# Altium PCB OneBox.PcbDoc (part 3 of 13)
Units mm, origin at the board's own origin, x right, y up, seen from the top; angles counter-clockwise.
Board outline 101 x 69 mm, 6 copper layers (L1_Sig, L2_Gnd, L3_Pow, L4_Sig, L5_Gnd, L6_Sig), stack 1.538 mm thick; 766 components, 563 nets, 3133 pads, 2914 vias.
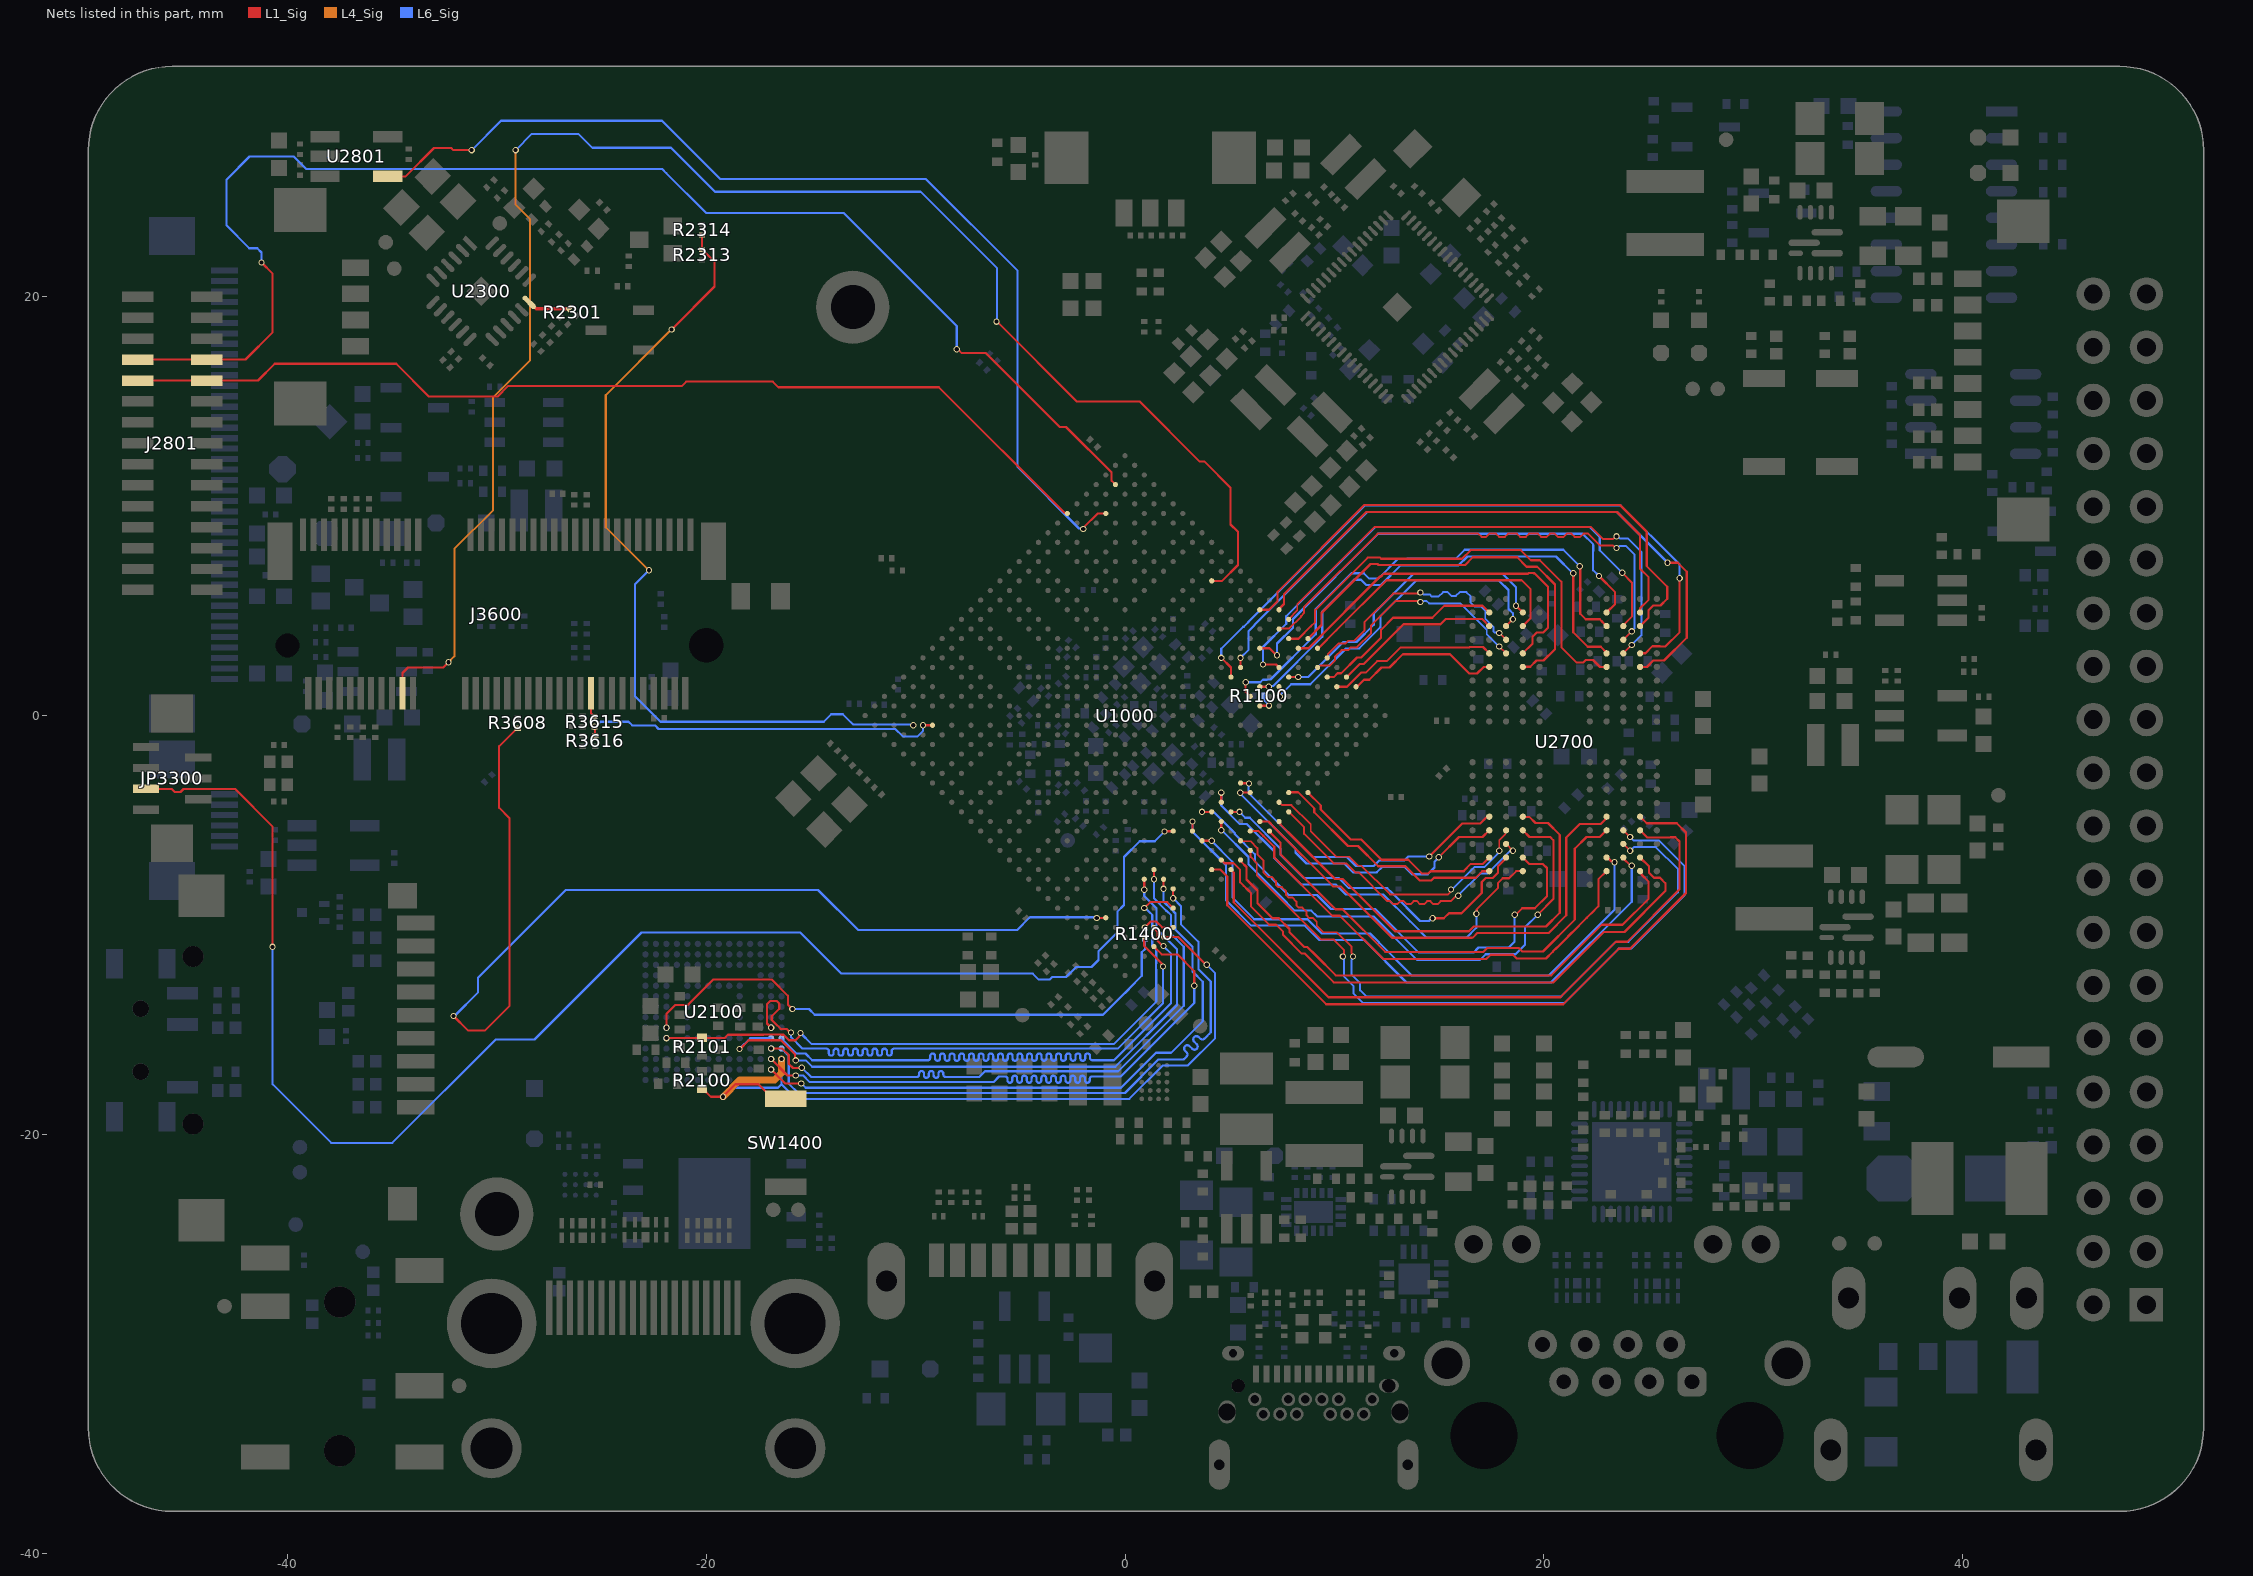
[diagram p7: the nets of this part, all layers, seen from the top]

## Footprints (in the part's own frame and the unit in brackets; to place one, negate y for a bottom-side part, rotate by r counter-clockwise, add the part's x,y. Pads: shape width x height; smd on the part's side, far side on the other; paste and mask are expansions set on the pad) (continued)
"QFN68 7X7" [mm] "68脚，长x宽x高：7x7x0.85mm，脚距：0.35mm"
  rect 0.18x0.6 smd: 1(-2.8,-3.4)
  oval 0.18x0.6 smd: 2(-2.45,-3.4) 3(-2.1,-3.4) 4(-1.75,-3.4) 5(-1.4,-3.4) 6(-1.05,-3.4) 7(-0.7,-3.4) 8(-0.35,-3.4) 9(0,-3.4) 10(0.35,-3.4) 11(0.7,-3.4) 12(1.05,-3.4) 13(1.4,-3.4) 14(1.75,-3.4) 15(2.1,-3.4) 16(2.45,-3.4) 17(2.8,-3.4) 35(2.8,3.4) 36(2.45,3.4) 37(2.1,3.4) 38(1.75,3.4) 39(1.4,3.4) 40(1.05,3.4) 41(0.7,3.4) 42(0.35,3.4) 43(0,3.4) 44(-0.35,3.4) 45(-0.7,3.4) 46(-1.05,3.4) 47(-1.4,3.4) 48(-1.75,3.4) 49(-2.1,3.4) 50(-2.45,3.4) 51(-2.8,3.4)
  oval 0.6x0.18 smd: 18(3.4,-2.8) 19(3.4,-2.45) 20(3.4,-2.1) 21(3.4,-1.75) 22(3.4,-1.4) 23(3.4,-1.05) 24(3.4,-0.7) 25(3.4,-0.35) 26(3.4,0) 27(3.4,0.35) 28(3.4,0.7) 29(3.4,1.05) 30(3.4,1.4) 31(3.4,1.75) 32(3.4,2.1) 33(3.4,2.45) 34(3.4,2.8) 52(-3.4,2.8) 53(-3.4,2.45) 54(-3.4,2.1) 55(-3.4,1.75) 56(-3.4,1.4) 57(-3.4,1.05) 58(-3.4,0.7) 59(-3.4,0.35) 60(-3.4,0) 61(-3.4,-0.35) 62(-3.4,-0.7) 63(-3.4,-1.05) 64(-3.4,-1.4) 65(-3.4,-1.75) 66(-3.4,-2.1) 67(-3.4,-2.45) 68(-3.4,-2.8)
  rect 1x1 smd: 69(0,0)
  L1_Sig region: -2.85,2.85 2.85,2.85 2.85,-2.85 -2.5,-2.85 -2.85,-2.5
  silkscreen extent -3.62,-3.62 -3.38,-3.38, body extent -3.5,-3.5 3.5,3.5, height 1.01
QFN-12 [mil] "2mm * 3mm"
  oval 59.1x11.8 smd mask+2: 1(-20.7,20.6) 2(-20.7,-18.8) 7(22.6,0.9)
  oval 9.8x27.6 smd mask+2: 3(-28.6,-56.2) 4(-8.9,-56.2) 5(10.8,-56.2) 6(30.5,-56.2) 9(30.5,58) 10(10.8,58) 11(-8.9,58) 12(-28.6,58)
  oval 27.6x9.8 smd mask+2: 8(38.4,20.6)
  body extent -40,-59 39,59, height 37
R0201_NS [mm] "1/20W贴片电阻-无丝印"
  rect 0.25x0.3 smd: 1(-0.25,0) 2(0.25,0)
  body extent -0.3,-0.15 0.3,0.15, height 0.23
R0402_NS [mm] "1/16W贴片电阻-无丝印"
  rect 0.4x0.5 smd: 1(-0.425,0) 2(0.425,0)
  body extent -0.5,-0.25 0.5,0.25, height 0.3
R0603_NS [mil] "1/10W贴片电阻-无丝印"
  rect 30x30 smd: 1(-25.59,0) 2(25.59,0)
  body extent -31,-16 32,16, height 16
R0805_NS [mil] "1/8W贴片电阻-无丝印"
  rect 35x50 smd: 1(-37.4,0) 2(37.4,0)
  silkscreen extent -16,-4 16,4, body extent -39,-25 39,25, height 20
R1206_NS [mil] "1/4W贴片电阻-无丝印"
  rect 55x62 smd: 1(-55.12,0) 2(57.09,0)
  silkscreen extent -16,-4 16,4, body extent -63,-31 63,31, height 22
R1210_NS [mm] "1/3W贴片电阻"
  rect 1.524x2.54 smd: 1(-1.45,0) 2(1.45,0)
  silkscreen extent -0.4,-0.1 0.4,0.1, body extent -1.58,-1.25 1.62,1.25, height 0.55
RJ45-2LED [mm] "RJ45屏蔽网络插座带LED"
  rrect50% 1.4x1.4 hole 0.7: 1(3.57,0.19)
  round 1.4 hole 0.7: 2(2.55,1.97) 3(1.53,0.19) 4(0.51,1.97) 5(-0.51,0.19) 6(-1.53,1.97) 7(-2.55,0.19) 8(-3.57,1.97)
  round 1.8 hole 0.9: 9(6.86,6.757) 10(4.57,6.757) 11(-4.57,6.757) 12(-6.86,6.757)
  round 2.2 hole 1.5: HM3(-8.128,1.08) HM4(8.128,1.08)
  round 0 hole 3.2 unplated: ""(-6.35,-2.363) ""(6.35,-2.363)
  body extent -7.95,-7.65 7.95,7.75, height 12.85
SDMM0806 [mm]
  rect 0.3x0.3 smd: 1(0.25,0.3) 2(0.25,-0.3) 3(-0.25,0.3) 4(-0.25,-0.3)
SMB [mm] "4.7*3.9*2.2mm(长宽高，不包括引脚）"
  rect 2.5x2.2 smd: 1(-2.35,0)
  oct 2.5x2.2 smd: 2(2.35,0)
  silkscreen extent -0.39,-0.51 0.5,0.51, body extent -2.63,-1.8 2.67,1.8, height 2.35
SMT-HOLE-M2*3.5*3.5+1.2 [mm]
  round 3.5 hole 2.1: 1(0,0)
  body extent -1.75,-1.75 1.75,1.75, height 3.5
SOD-123 [mm] "2.7x1.6X1.1mm（长宽高，不包括引脚）"
  rect 1.2x1.2 smd: 1(-1.6,0)
  oct 1.2x1.2 smd: 2(1.6,0)
  silkscreen extent -0.15,-0.55 0.4,0.53, body extent -1.85,-0.8 1.85,0.8, height 1.22
SOD-323 [mm] "1.8x1.3X0.9mm（长宽高，不包括引脚）"
  rect 0.8x0.8 smd: 1(-1.2,0)
  oct 0.8x0.8 smd: 2(1.2,0)
  silkscreen extent -0.23,-0.51 0.18,0.51, body extent -1.34,-0.63 1.31,0.67, height 1
SON127P800X600X80-9N-D [mm]
  rect 0.95x0.45 smd: 1(-3.9,1.905) 2(-3.9,0.635) 3(-3.9,-0.635) 4(-3.9,-1.905) 5(3.9,-1.905) 6(3.9,-0.635) 7(3.9,0.635) 8(3.9,1.905)
  rect 3.45x4.35 smd: 9(0,0)
  silkscreen extent -2.72,1.78 -2.47,2.02, body extent -4.05,-3 4.05,3, height 0.8
SOP8_L [mm] "4*5*1.8mm（长宽高）"
  rect 1.5x0.5 smd: 1(-2.5,1.905)
  oval 1.5x0.5 smd: 2(-2.5,0.635) 3(-2.5,-0.635) 4(-2.5,-1.905) 5(2.5,-1.905) 6(2.5,-0.635) 7(2.5,0.635) 8(2.5,1.905)
  silkscreen extent -1.15,1.65 -0.85,1.95, body extent -3,-2.5 3,2.5, height 1.9
SOP16_L [mm] "10.3*6.2*1.8mm（长宽高）"
  rect 1.5x0.5 smd: 1(-2.752,4.445)
  oval 1.5x0.5 smd: 2(-2.752,3.175) 3(-2.752,1.905) 4(-2.752,0.635) 5(-2.752,-0.635) 6(-2.752,-1.905) 7(-2.752,-3.175) 8(-2.752,-4.445) 9(2.752,-4.445) 10(2.752,-3.175) 11(2.752,-1.905) 12(2.752,-0.635) 13(2.752,0.635) 14(2.752,1.905) 15(2.752,3.175) 16(2.752,4.445)
  silkscreen extent -1.15,4.15 -0.85,4.45, body extent -3,-5 3,5, height 1.9
SOT23-3L [mm] "3x1.3x1mm(长宽高)"
  rect 0.45x1 smd: 1(-0.95,-1.143) 2(0.95,-1.143) 3(0,1.125)
  body extent -1.5,-1.2 1.5,1.2, height 1.05
SOT23-5M [mm] "3x1.6x1.1mm(长宽高)"
  rect 0.55x1.4 smd: 1(-0.95,-1.5) 2(0,-1.5) 3(0.95,-1.5) 4(0.95,1.5) 5(-0.95,1.5)
  silkscreen extent -1.12,-0.42 -0.87,-0.18, body extent -1.5,-1.4 1.5,1.4, height 1.15
SOT23-6L [mm] "3x1.6x1.1mm(长宽高)"
  rect 0.45x1 smd: 1(-0.95,-1.397) 2(0,-1.397) 3(0.95,-1.397) 4(0.95,1.397) 5(0,1.397) 6(-0.95,1.397)
  silkscreen extent -1.12,-0.42 -0.88,-0.17, body extent -1.5,-1.4 1.5,1.4, height 1.15
SOT323-3 [mil] "3x1.3x1mm(长宽高)"
  rect 31.5x35.4 smd mask+2: 1(-24.62,-35.7) 2(26.58,-35.7) 3(0.98,27.3)
  body extent -38,-48 41,35, height 46
SOT723 [mm]
  rect 0.489x0.294 smd: 1(0,0) 2(0,0.8)
  rect 0.489x0.434 smd: 3(-1.059,0.4)
  body extent -1.1,-0.2 0.1,1, height 0.5
SWPA252010 [mm] "轮廓2.5mm*2mm ，焊盘间距0.8mm"
  rect 0.85x2 smd: 1(-0.825,0) 2(0.825,0)
  body extent -1.25,-1.25 1.25,1.25, height 1
"TEST 0.7" [mm] "测试点0.7mm"
  round 0.7 smd: 1(0,0)
TS3x4x2 [mm] "防水轻触开关3x4x2"
  rect 2x0.8 smd: 1(0,2.1) 2(0,-2.1)
  silkscreen extent -1.5,-2 1.5,2, body extent -1.5,-2.2 1.5,2.2, height 2
TS3X4X2 [mm] "防水轻触开关3x4x2"
  rect 2x0.8 smd: 1(0,2.1) 2(0,-2.1)
  silkscreen extent -1.5,-2 1.5,2, body extent -1.5,-2.2 1.5,2.2, height 2
USB3.1_TYPE-A_HS [mm] "USB 3.1 Type A"
  rect 0.7x1.6 smd mask+0.05: 1(-3,0.5) 2(-1,0.5) 3(1,0.5) 4(3,0.5) 5(4,0.5) 6(2,0.5) 7(0,0.5) 8(-2,0.5) 9(-4,0.5)
  oval 1.8x3.7 hole 1 slot 2.5 at 90 deg mask+0.05: 10(6.4,-0.5) 11(-6.4,-0.5)
  body extent -6.57,-12.98 6.53,1.07, height 6.71
USB-C/S_A [mm] "Type-C 24P母座"
  oval 1x2.4 hole 0.5 slot 1.5 at 90 deg: 0(-4.5,-0.765) 0(4.5,-0.765)
  oval 0.8x1.1 hole 0.8 slot 1.1 at 90 deg: 0(-4.13,1.75) 0(4.13,1.75)
  oval 1.05x0.7 hole 0.4 slot 0.75 at 0 deg: 0(-3.845,4.55) 0(3.845,4.55)
  rect 0.3x0.8 smd: A1(-2.75,3.56) A2(-2.25,3.56) A3(-1.75,3.56) A4(-1.25,3.56) A5(-0.75,3.56) A6(-0.25,3.56) A7(0.25,3.56) A8(0.75,3.56) A9(1.25,3.56) A10(1.75,3.56) A11(2.25,3.56) A12(2.75,3.56)
  round 0.65 hole 0.4: B1(2.8,2.35) B2(2.4,1.65) B3(1.6,1.65) B4(1.2,2.35) B5(0.8,1.65) B6(0.4,2.35) B7(-0.4,2.35) B8(-0.8,1.65) B9(-1.2,2.35) B10(-1.6,1.65) B11(-2.4,1.65) B12(-2.8,2.35)
  round 0.65 hole 0.65: N(-3.6,3)
  oval 0.95x0.65 hole 0.65 slot 0.95 at 0 deg: N(3.6,3)
  body extent -4.62,-4.45 4.63,4.65, height 3.35
WQFN-14 [mm]
  rect 0.7x0.3 smd: 1(-1.3,0.5) 2(-1.3,0) 3(-1.3,-0.5) 8(1.3,-0.5) 9(1.3,0) 10(1.3,0.5)
  rect 0.3x0.7 smd: 4(-0.75,-1.3) 5(-0.25,-1.3) 6(0.25,-1.3) 7(0.75,-1.3) 11(0.75,1.3) 12(0.25,1.3) 13(-0.25,1.3) 14(-0.75,1.3)
  rect 1.5x1.5 smd: 15(0,0)
  silkscreen extent -1.55,1.15 -1.31,1.4, body extent -1.3,-1.3 1.3,1.3, height 0.8
WQFN-40 [mm]
  oval 0.22x0.8 smd: 1(-1.801,-2.499) 2(-1.4,-2.499) 3(-1.001,-2.499) 4(-0.599,-2.499) 5(-0.201,-2.499) 6(0.201,-2.499) 7(0.599,-2.499) 8(1.001,-2.499) 9(1.4,-2.499) 10(1.801,-2.499) 21(1.801,2.499) 22(1.4,2.499) 23(1.001,2.499) 24(0.599,2.499) 25(0.201,2.499) 26(-0.201,2.499) 27(-0.599,2.499) 28(-1.001,2.499) 29(-1.4,2.499) 30(-1.801,2.499)
  oval 0.8x0.22 smd: 11(2.499,-1.801) 12(2.499,-1.4) 13(2.499,-1.001) 14(2.499,-0.599) 15(2.499,-0.201) 16(2.499,0.201) 17(2.499,0.599) 18(2.499,1.001) 19(2.499,1.4) 20(2.499,1.801) 31(-2.499,1.801) 32(-2.499,1.4) 33(-2.499,1.001) 34(-2.499,0.599) 35(-2.499,0.201) 36(-2.499,-0.201) 37(-2.499,-0.599) 38(-2.499,-1.001) 39(-2.499,-1.4) 40(-2.499,-1.801)
  rect 3.8x3.8 smd: 41(0,0)
  silkscreen extent -2.63,-2.62 -2.38,-2.38, body extent -2.5,-2.5 2.5,2.5, height 0.8
X2QFN-18 [mm]
  rect 0.5x0.25 smd: 1(-0.905,0.8) 2(-0.905,0.4) 3(-0.905,0) 4(-0.905,-0.4) 5(-0.905,-0.8) 10(0.905,-0.8) 11(0.905,-0.4) 12(0.905,0) 13(0.905,0.4) 14(0.905,0.8)
  rect 0.25x0.5 smd: 6(-0.6,-1.305) 7(-0.2,-1.305) 8(0.2,-1.305) 9(0.6,-1.305) 15(0.6,1.305) 16(0.2,1.305) 17(-0.2,1.305) 18(-0.6,1.305)
  rect 1.05x1.85 smd: 19(0,0)
  silkscreen extent -1.37,1.28 -1.13,1.53, body extent -1,-1.4 1,1.4, height 0.5
XTAL-3225-4P [mm] "3.2*2.5*0.7mm(长宽高)"
  rect 1.3x1.2 smd: 1(-1.05,-0.85) 2(1.05,-0.85) 3(1.05,0.85) 4(-1.05,0.85)
  silkscreen extent -2.03,-1.75 -0.89,-0.61, body extent -1.6,-1.25 1.6,1.25, height 0.7

## Part data
C1000 C1204 C1206 C1208 C1211 C1214 C1900 C2100 C2101 C2102 C2103 C2106 C2107 C2108 C2400 C2404 C2502 C2506 C2704 C2706 C2707 C2708 C2709 C2710 C2711 C2714 C2715 C2716 C2718 C2720 C2722 C2726 C2727 C2729 C2730 C2731 C2732 C2733 C2734 C2735 C2737 C2738 C2739 C2740 C2741 C2742 C2750 C2751 C2754 C2755 C2756 C2758 C2759 C2760 C2810 C2812 C3002 C3014 C3022 C3026 C3033 C3038 C3046 C3103 C3106 C3107 C3108 C3109 C3110 C3114 C3115 C3117 C3118 C3120 C3121 C3200 C3201 C3202 C3203 C3204 C3205 C3400: library part C, "X5R 10V C0402", BOM名称=无极性贴片电容, ComponentLink1Description=Datasheet, ComponentLink1URL=www.baidu.com
C1001 C1006 C1013 C1102 C1103 C1107 C1108 C1109 C1802 C1804 C1906 C1907 C1913 C1914 C2752 C2922: library part C, "X5R 6.3V C0402", BOM名称=无极性贴片电容, ComponentLink1Description=Datasheet, ComponentLink1URL=www.baidu.com
C1002 C1003 C1004 C1009 C1010 C1014 C1015 C1018 C1019 C2701 C2723 C2746 C2900 C2902 C2903 C2905 C2906 C2908 C2909 C2912 C2913 C2930 C3003 C3004 C3005 C3006: library part C, "X5R 6.3V C0603", BOM名称=无极性贴片电容, ComponentLink1Description=Datasheet, ComponentLink1URL=www.baidu.com
C1005 C1012 C1017 C1100 C1101 C1105 C1106 C1200 C1203 C1205 C1207 C1209 C1210 C1212 C1213 C1300 C1400 C1401 C1402 C1500 C1600 C1601 C1700 C1707 C1708 C1709 C1710 C1800 C1801 C1803 C1805 C1806 C1807 C1808 C1809 C1810 C1811 C1812 C1901 C1902 C1903 C1904 C1905 C1908 C1909 C1910 C1911 C1912 C2201 C2202 C2203 C2406 C2407 C2408 C2409 C2415 C2416 C2417 C2418 C2500 C2501 C2600 C2705 C2712 C2713 C2717 C2719 C2721 C2728 C2736 C2744 C2747 C2749 C2800 C2802 C2803 C2805 C2901 C2904 C2910 C2914 C2915 C2916 C2917 C2919 C2920 C2921 C2923 C2924 C2925 C2926 C2927 C2928 C2932 C2933 C2934 C2935 C2936 C2939 C2940 C2941 C2942 C2944 C2945 C2946 C2947 C2948 C2952 C2954 C3302 C3601 C3602 C3610 C3611: library part C, "X5R 10V C0201", BOM名称=无极性贴片电容, ComponentLink1Description=Datasheet, ComponentLink1URL=www.baidu.com
C1007 C1008 C2105 C2405 C2412 C2413 C2414 C3018 C3029 C3040: library part C, "X5R 16V C0402", BOM名称=无极性贴片电容, ComponentLink1Description=Datasheet, ComponentLink1URL=www.baidu.com
C1011 C1016 C1020 C1104 C2000 C2104 C2109 C2200 C2300 C2306 C2309 C2403 C2505 C2702 C2703 C2724 C2725 C2743 C2748 C2753 C2757 C2801 C2804 C2806 C2811 C2907 C2911 C2918 C2929 C2931 C2943 C3001 C3015 C3021 C3027 C3032 C3039 C3045 C3105 C3113 C3116 C3119 C3603 C3604: library part C, "X5R 10V C0603", BOM名称=无极性贴片电容, ComponentLink1Description=Datasheet, ComponentLink1URL=www.baidu.com
C1201 C1202 C2745 C2937 C2938 C2949 C2950 C2951 C2953 C3300 C3303: library part C, "C0G 50V C0201", BOM名称=无极性贴片电容, ComponentLink1Description=Datasheet, ComponentLink1URL=www.baidu.com
C1701 C1702 C1703 C1704 C1705 C1706: library part C, "X5R 50V C0201", BOM名称=无极性贴片电容, ComponentLink1Description=Datasheet, ComponentLink1URL=www.baidu.com
C2301 C2302 C2303 C2304 C2305 C2307 C2308 C2310 C3600 C3605 C3606 C3607: library part C, "X5R 16V C0201", BOM名称=无极性贴片电容, ComponentLink1Description=Datasheet, ComponentLink1URL=www.baidu.com
C2401 C2402 C2503 C2504 C3019 C3020 C3030 C3031 C3042 C3043: library part C, "X5R 10V C1206", BOM名称=无极性贴片电容, ComponentLink1Description=Datasheet, ComponentLink1URL=www.baidu.com
C2410 C2411 C3100 C3101 C3102: library part C, "C0G 50V C0402", BOM名称=无极性贴片电容, ComponentLink1Description=Datasheet, ComponentLink1URL=www.baidu.com
C2700: library part C, "X5R 50V C0201 1nF", BOM名称=无极性贴片电容, ComponentLink1Description=Datasheet, ComponentLink1URL=www.baidu.com
C2807 C2808 C2809 C2813 C2814 C2815 C3007 C3010 C3013 C3025 C3037: library part C, "X5R 50V C0603", BOM名称=无极性贴片电容, ComponentLink1Description=Datasheet, ComponentLink1URL=www.baidu.com
C3000 C3104: library part C, "X5R 10V C0402 100nF", BOM名称=无极性贴片电容, ComponentLink1Description=Datasheet, ComponentLink1URL=www.baidu.com
C3008 C3009 C3011 C3012 C3023 C3024 C3034 C3035: library part C, "X5R 50V C0805", BOM名称=无极性贴片电容, ComponentLink1Description=Datasheet, ComponentLink1URL=www.baidu.com
C3017 C3028 C3041: library part C, "X5R 25V C0402", BOM名称=无极性贴片电容, ComponentLink1Description=Datasheet, ComponentLink1URL=www.baidu.com
C3049: library part C-CM, "CAP6.3x7.7", BOM名称=贴片电解电容, 学习资源=www.ooocke.com, 版权归属=源创客
C3111 C3112: library part C, "C0G 50V C0402 100pF", BOM名称=无极性贴片电容, ComponentLink1Description=Datasheet, ComponentLink1URL=www.baidu.com
D2400 D2500 D2800 D2803: "肖特基二极管", BOM名称=肖特基二极管, 学习资源=www.ooocke.com, 属性=40V/2A, 版权归属=源创客
D2600: library part B5819WS, "肖特基二极管", BOM名称=肖特基二极管, 学习资源=www.ooocke.com, 属性=40V/2A, 版权归属=源创客
D2801 D2802: "双开关二极管", BOM名称=肖特基二极管, 学习资源=www.ooocke.com, 属性=40V/2A, 版权归属=源创客
D3000: "DO_214AC", BOM名称=肖特基二极管, 学习资源=www.ooocke.com, 属性=40V/3A, 版权归属=源创客
DZ2800: library part 1N720, "18V/0.25W稳压管", BOM名称=10V/0.5W稳压管, 学习资源=www.ooocke.com, 版权归属=源创客
DZ2801: library part 1N714, "10V/0.25W稳压管", BOM名称=10V/0.5W稳压管, 学习资源=www.ooocke.com, 版权归属=源创客
F3000: library part FU, "贴片保险丝", BOM名称=贴片保险丝, 学习资源=www.ooocke.com, 版权归属=源创客
J2200: "TF卡座", BOM名称=TF卡座, 学习资源=www.ooocke.com, 版权归属=源创客
J2400: library part USB-C/S, "USB-C型母接口", BOM名称=USB-C型母接口, 学习资源=www.ooocke.com, 版权归属=源创客
J2500: "USB3.1_Type-A贴片母座"
J2600: library part HDMI-019S
J2800: library part FPC-40P_8.8_Display, "FPC连接器", BOM名称=FPC连接器, 学习资源=www.ooocke.com, 版权归属=源创客
J2801: library part FPC-15P, "FPC连接器", BOM名称=FPC连接器, 学习资源=www.ooocke.com, 版权归属=源创客
J3100: "Connector", Manufacturer_Name=Amphenol, Manufacturer_Part_Number=RJHSE3381A1, Mouser2 Part Number=523-RJHSE3381A1, Datasheet Link=https://componentsearchengine.com//RJHSE3381A1.pdf, Height=15.88mm, Mouser2 Price/Stock=https://www.mouser.com/Search/Refine.aspx?Keyword=523-RJHSE3381A1
J3300: "3.5耳机插座,4Pin", BOM名称=耳机插座, 学习资源=www.ooocke.com, 版权归属=源创客
J3401: library part SSW-1P, "1路波动开关", BOM名称=波动开关, 学习资源=www.ooocke.com, 版权归属=源创客
J3500: library part "Raspberry Pi Pin Header", "20*2P接插件", BOM名称=20*2P接插件, 学习资源=www.ooocke.com, 版权归属=源创客
J3600: "Connector", Manufacturer_Name="TE Connectivity", Manufacturer_Part_Number=2199230-4, Mouser2 Part Number=571-2199230-4, Datasheet Link=https://componentsearchengine.com//2199230-4.pdf, Mouser2 Price/Stock=https://www.mouser.com/Search/Refine.aspx?Keyword=571-2199230-4
JP2300: library part "Header 4", "4P接插件", BOM名称=4P接插件, 学习资源=www.ooocke.com, 版权归属=源创客
JP2302: library part Fan_Pin, "3P接插件", BOM名称=3P接插件, 学习资源=www.ooocke.com, 版权归属=源创客
JP2802: library part FPC-6P_TouchPanel, "FPC连接器", BOM名称=FPC连接器, 学习资源=www.ooocke.com, 版权归属=源创客
JP3200: library part "Header 8", "8P接插件", BOM名称=8P接插件, 学习资源=www.ooocke.com, 版权归属=源创客
JP3300: library part FPC-7P, "FPC连接器", BOM名称=FPC连接器, 学习资源=www.ooocke.com, 版权归属=源创客
L2400 L2401 L2402 L2403 L2404 L2500 L3100 L3101 L3102 L3103: library part L-UU, "电感-共模电感", BOM名称=共模电感
L2700: library part L-NR, "MPIA252012-2R2M 3A", BOM名称=NR磁胶电感
L2800 L2801 L3104: library part L-SWPA, "电感-顺络_SWPA贴片屏蔽电感", BOM名称=功率屏蔽电感
L2900 L2901 L2902 L2903 L2904: library part L-SWPA, "DCR<50mohm 252010", BOM名称=功率屏蔽电感
L3000: library part L-SWPA, "0.24uH/4A/WPN252012HR24MT", BOM名称=功率屏蔽电感
L3001 L3002 L3003: library part L-NR, "4.7uH/3A,高2.0mm，WPN4020H4R7MT", BOM名称=NR磁胶电感
LB2300 LB2301 LB2302 LB2900 LB2901 LB2902 LB2903 LB2904: library part LB, "磁珠 2A L0402", BOM名称=磁珠, 学习资源=www.ooocke.com, 版权归属=源创客
LED3200 LED3201 LED3400 LED3401: library part LED-SMD, "贴片LED", BOM名称=贴片LED, 学习资源=www.ooocke.com, 版权归属=源创客
Q2200: "高频放大-NPN型", BOM名称=高频放大-NPN型, 参数="40V 0.2A 0.3W 300MHZ"
Q2300: "P沟道", BOM名称=场效应管, 学习资源=www.ooocke.com, 描述="P沟道 30V/4.2A", 版权归属=源创客
Q2301 Q2800 Q2801: "N沟道", BOM名称=场效应管, 学习资源=www.ooocke.com, 描述="N沟道 30V/4.2A", 版权归属=源创客
Q3200 Q3201 Q3202: library part 8050-SMD, "高频放大-NPN型", BOM名称=高频放大-NPN型, 学习资源=www.ooocke.com, 属性="40V 1.5A 1W 100MHZ", 版权归属=源创客
R1100 R1700 R1800 R1900 R2306 R2400 R2401 R2402 R2403 R2404 R2405 R2406 R2407 R2408 R2409 R2700 R2701 R2703 R2704 R2800 R2801 R2803 R2804 R2805 R2806 R2807 R2808 R2903 R2904 R2911 R2912 R3100 R3113 R3114 R3115 R3116 R3117 R3118 R3119 R3120 R3407 R3408: library part R, "1% R0201", BOM名称=贴片电阻
R1200 R1201 R1202 R1203 R1204 R1205 R1206 R1207 R1208 R1400 R1401 R1402 R1403 R1404 R1500 R1501 R1502 R1600 R2002 R2200 R2201 R2202 R2203 R2204 R2300 R2301 R2302 R2303 R2304 R2305 R2309 R2310 R2311 R2312 R2313 R2314 R2315 R2316 R2500 R2501 R2502 R2503 R2504 R2505 R2600 R2601 R2602 R2603 R2702 R2809 R2810 R2811 R2812 R2813 R2814 R2815 R2816 R2900 R2901 R2902 R2905 R2906 R2907 R2908 R3101 R3305 R3306 R3307 R3404 R3406 R3500 R3501 R3502 R3503 R3600 R3601 R3602 R3603 R3604 R3605 R3606 R3607 R3608 R3609 R3610 R3612 R3613 R3614 R3615 R3616 R3617 R3618 R3619 R3620: library part R, "5% R0201", BOM名称=贴片电阻
R1601 R2001 R2100 R2101 R2102 R2410 R2411 R2413 R2414 R2415 R2416 R2506 R2507 R2706 R2707 R2802 R2909 R2910 R3000 R3001 R3004 R3005 R3006 R3012 R3013 R3014 R3016 R3017 R3018 R3103 R3105 R3106 R3107 R3108 R3109 R3110 R3111 R3112 R3121 R3122 R3123 R3124 R3125 R3126 R3127 R3128 R3129 R3130 R3131 R3201 R3202 R3203 R3204 R3206 R3207 R3208 R3209 R3210 R3211 R3212 R3213 R3214 R3400 R3401: library part R, "5% R0402", BOM名称=贴片电阻
R2103: library part R, "5% R0402 47K", BOM名称=贴片电阻
R2412 R2508 R3102 R3402 R3403 R3409 R3410: library part R, "1% R0402", BOM名称=贴片电阻
R2509 R3205: library part R, "5% R0402 10K", BOM名称=贴片电阻
R2705 R3132: library part R, "5% R0603 0R", BOM名称=贴片电阻
R3002: library part R, "5% R1206", BOM名称=贴片电阻
R3003: library part R, "5% R1210", BOM名称=贴片电阻
R3019: library part R, "5% R0603 10K", BOM名称=贴片电阻
R3020: library part R, "1% R1210", BOM名称=贴片电阻
R3104: library part R, "5% R0402 4.7K", BOM名称=贴片电阻
R3133 R3134 R3200: library part R, "1% R0603", BOM名称=贴片电阻
R3611: library part R, "5% R0805 4A", BOM名称=贴片电阻
SW1400 SW3400 SW3401: library part "TS 3x4", "3x4轻触开关", BOM名称=3x6轻触开关, 学习资源=www.ooocke.com, 版权归属=源创客
TP1402 TP1403 TP1700 TP1701 TP1900 TP2300 TP2301 TP2302 TP3000 TP3001 TP3002 TP3003 TP3004 TP3300 TP3301 TP3302 TP3303 TP3400 TP3401 TP3402 TP3403: library part TEST-POINT, "测试点", BOM名称=测试点
U1000: library part RK3568
U2100: library part SDINBDA6-32G, "eMMC"
U2200: library part W25Q256JWEIQ, "Integrated Circuit", Manufacturer_Name=Winbond, Mouser2 Part Number=454-W25Q256JWEIQ, Datasheet Link=https://componentsearchengine.com//W25Q256JWEIQ.pdf, Height=0.8mm, Manufacturer_Part_Number=W25Q256JWEIQ, Mouser2 Price/Stock=https://www.mouser.com/Search/Refine.aspx?Keyword=454-W25Q256JWEIQ
U2400 U2500 U2800 U2801: "USB电源开关/负载开关", BOM名称=可调升压芯片, 学习资源=www.ooocke.com, 版权归属=源创客
U2401: "Integrated Circuit", Manufacturer_Name=onsemi, Mouser2 Part Number=512-FUSB340TMX, Datasheet Link=https://componentsearchengine.com//FUSB340TMX.pdf, Height=0.4mm, Manufacturer_Part_Number=FUSB340TMX, Mouser2 Price/Stock=https://www.mouser.com/Search/Refine.aspx?Keyword=512-FUSB340TMX
U2402: "Integrated Circuit", Manufacturer_Name=onsemi, Datasheet Link=https://www.onsemi.com/pub/Collateral/FUSB302B-D.PDF, Height=0.8mm, Manufacturer_Part_Number=FUSB302BMPX
U2600: "四通道ESD保护电平转换器"
U2700: library part H9HCNNNCPMML, "LPDDR4 32Gbit 2GX16"
U2701: "DC/DC降压芯片", BOM名称=可调升压芯片, 学习资源=www.ooocke.com, 版权归属=源创客
U2702: "LDO 降压芯片", BOM名称=可调升压芯片, 学习资源=www.ooocke.com, 版权归属=源创客
U2802 U2803: "DC/DC升压转换芯片"
U3000: "Integrated Circuit", Manufacturer_Name="Texas Instruments", Manufacturer_Part_Number=TPS2124YFPR, Datasheet Link=https://www.ti.com/lit/ds/symlink/tps2124.pdf?ts=1599495749884&ref_url=https%253A%252F%252Fwww.ti.com%252Fproduct%252FTPS2124%253Fcm_session%253D61f72e71-9aa0-4c79-84ad-5cb73ebbd9d7%2526cm_type%253Dlink%2526cm_link%253D0171200c-72ac-4942-a0b9-de4d4db05476, Height=0.5mm
X1200 X3100: library part XTAL-4P, "晶振-4脚无源晶振(谐振器）", BOM名称=4脚无源晶振(谐振器）
X2300: library part XTAL-4P, "20PF", BOM名称=4脚无源晶振(谐振器）
X2900: library part XTAL-2P, "2脚无源脚晶振", BOM名称=2脚无源脚晶振, 学习资源=www.ooocke.com, 版权归属=源创客

## Via types
v1: diameter 0.3, hole 0.2, L1_Sig to L6_Sig, tented both sides, 2711 vias
v2: diameter 0.5, hole 0.3, L1_Sig to L6_Sig, tented both sides, 199 vias
v3: diameter 0.305, hole 0.203, L1_Sig to L6_Sig, tented both sides, 4 vias

## Nets (pads, with @x,y where several pads share a name; then routed paths per layer and width w, separated by ;. In a path a pad name is that pad's centre, name@x,y a point inside that pad or via, vN(x,y) a via of type N, cw(c..) or ccw(c..) an arc to the next point about the centre after c; other vN are vias at no path point)
5V_EN: R2313.1 R2314.1 U1000.AE26 | length 39.7
  L1_Sig w0.102: v1(-21.65,18.437) -19.6,20.488 -19.6,21.675 -20.175,22.25 R2313.1@-20.2,22.25 R2314.1@-20.2,22.95
  L4_Sig w0.102: v1(-22.73,6.937) -22.742,6.937 -24.797,8.992 -24.797,15.303 -21.663,18.437 v1(-21.65,18.437)
  L6_Sig w0.102: v1(-22.73,6.937) -23.4,6.267 -23.4,0.929 -22.18,-0.291 -14.388,-0.291 -14.034,0.063 -13.474,0.063 -13.075,-0.336 -13.073,-0.336 -12.983,-0.426 -12.71,-0.426 -10.146,-0.426 v1(-10.112,-0.46)
BT_REG_ON_H: J3600.56 R3615.2 | length 1.2
  L1_Sig w0.102: J3600.56@-25.5,1.075 -25.5,0.107 -25.357,-0.036 R3615.2@-25.332,-0.036
BT_REG_ON_H_3V3: R3615.1 R3616.1 U1000.AD25 | length 17.4
  L1_Sig w0.102: v1(-25.328,-0.528) -25.332,-0.531 R3615.1@-25.332,-0.536 -25.313,-0.556 -25.313,-0.939 R3616.1@-25.293,-0.958 ; v1(-9.652,-0.46) U1000.AD25@-9.192,-0.46
  L6_Sig w0.102: v1(-25.328,-0.528) -25.275,-0.528 -25.038,-0.291 -23.709,-0.291 -23.532,-0.468 -22.445,-0.468 -22.275,-0.637 -10.965,-0.637 -10.608,-0.994 -9.905,-0.994 -9.652,-0.74 v1(-9.652,-0.46)
BT_REG_ON_H_GPIO4_B2: R3608.2 U1000.E26 | length 52.4
  L1_Sig w0.102: v1(-32.065,-14.341) -31.379,-15.027 -30.553,-15.027 -29.4,-13.874 -29.4,-4.886 -29.889,-4.397 -29.889,-1.464 -29.025,-0.6 R3608.2@-29,-0.6 ; v1(-1.354,-9.66) -1.35,-9.656 -0.923,-9.656 U1000.E26@-0.919,-9.652
  L6_Sig w0.102: v1(-32.065,-14.341) -32.021,-14.341 -30.889,-13.209 -30.889,-12.502 -26.713,-8.326 -14.659,-8.326 -12.746,-10.24 -5.156,-10.24 -4.568,-9.652 -4.542,-9.627 -1.388,-9.627 v1(-1.354,-9.66)
BT_WAKE_HOST_H_GPIO4_B4: J3600.20 U1000.U3 | length 78.1
  L1_Sig w0.102: J3600.20@-34.5,1.075 -34.5,2.037 -34.237,2.3 -32.553,2.3 v1(-32.308,2.545) ; v1(-6.144,18.811) -6.111,18.811 -2.3,15 0.7,15 3.572,12.128 3.797,12.128 5.038,10.888 5.038,9.128 5.393,8.772 5.393,7.193 4.635,6.435 U1000.U3@4.137,6.435
  L4_Sig w0.102: v1(-32.308,2.545) -32.025,2.828 -32.025,7.962 -30.175,9.813 -30.175,15.2 -28.406,16.968 -28.406,23.706 -29.1,24.4 v1(-29.1,27)
  L6_Sig w0.102: v1(-29.1,27) -28.324,27.776 -26.101,27.776 -25.437,27.112 -21.678,27.112 -19.582,25.016 -9.761,25.016 -6.107,21.361 -6.107,18.847 v1(-6.144,18.811)
BUSJ: R2301.2 U2300.18 | length 2
  L1_Sig w0.152: U2300.18@-28.448,19.73 -28.422,19.73 -28.121,19.43 -26.557,19.43 R2301.2@-26.539,19.447
BUTTON_INT_GPIO1_A4: JP3300.5 U1000.F18 | length 74.1
  L1_Sig w0.102: JP3300.5@-47.111,-3.5 JP3300.5@-46.75,-3.5 ; JP3300.5@-46.743,-3.507 -45.512,-3.507 -45.372,-3.648 -45.098,-3.648 -44.957,-3.507 -42.493,-3.507 -40.7,-5.3 -40.7,-11.033 v1(-40.709,-11.041) ; JP3300.5@-46.325,-3.5 JP3300.5@-46.176,-3.649 ; v1(1.879,-5.53) 1.887,-5.523 2.291,-5.523 U1000.F18@2.298,-5.515
  L6_Sig w0.102: v1(-40.709,-11.041) -40.7,-11.05 -40.7,-17.6 -37.9,-20.4 -34.987,-20.4 -30.054,-15.467 -28.2,-15.467 -23.092,-10.358 -15.501,-10.358 -13.537,-12.322 -4.402,-12.322 -4.119,-12.606 -3.606,-12.606 -3.484,-12.484 -2.817,-12.484 -2.333,-12 -1.6,-12 -1.269,-11.669 -1.269,-11.257 -0.366,-10.353 -0.366,-9.357 -0.051,-9.043 -0.051,-6.751 0.7,-6 1.417,-6 1.879,-5.538 v1(1.879,-5.53)
CAM0_PWREN_H_GPIO3_A6: U1000.AF5 U2801.4 | length 49.4
  L1_Sig w0.102: U2801.4@-35.2,25.75 -34.35,25.75 -33,27.1 -32.177,27.1 -32.077,27 v1(-31.2,27) ; v1(-1.999,8.914) -1.999,8.965 -1.312,9.652 U1000.AF5@-0.919,9.652
  L6_Sig w0.102: v1(-31.2,27) -29.797,28.403 -22.107,28.403 -19.33,25.626 -9.509,25.626 -5.132,21.249 -5.132,11.867 -2.201,8.936 -2.021,8.936 v1(-1.999,8.914)
CSI_PDWN_GPIO4_D2: J2801.11 U1000.AH7 | length 48.3
  L1_Sig w0.102: J2801.11@-47.15,16 J2801.11@-43.85,16 -41.4,16 -40.6,16.8 -34.8,16.8 -33.24,15.24 -29.96,15.24 -29.469,15.731 -21.169,15.731 -20.951,15.949 -16.824,15.949 -16.553,15.678 -8.889,15.678 -2.891,9.68 -2.786,9.68 U1000.AH7@-2.758,9.652